# Altium PCB CommonBoard_FK_H743.PcbDoc
Units mm, origin at the board's own origin, x right, y up, seen from the top; angles counter-clockwise.
Board outline 58.23 x 81.66 mm, 4 copper layers (Top Layer, Layer 1, Layer 2, Bottom Layer), stack 0.603 mm thick; 38 components, 57 nets, 329 pads, 47 vias.
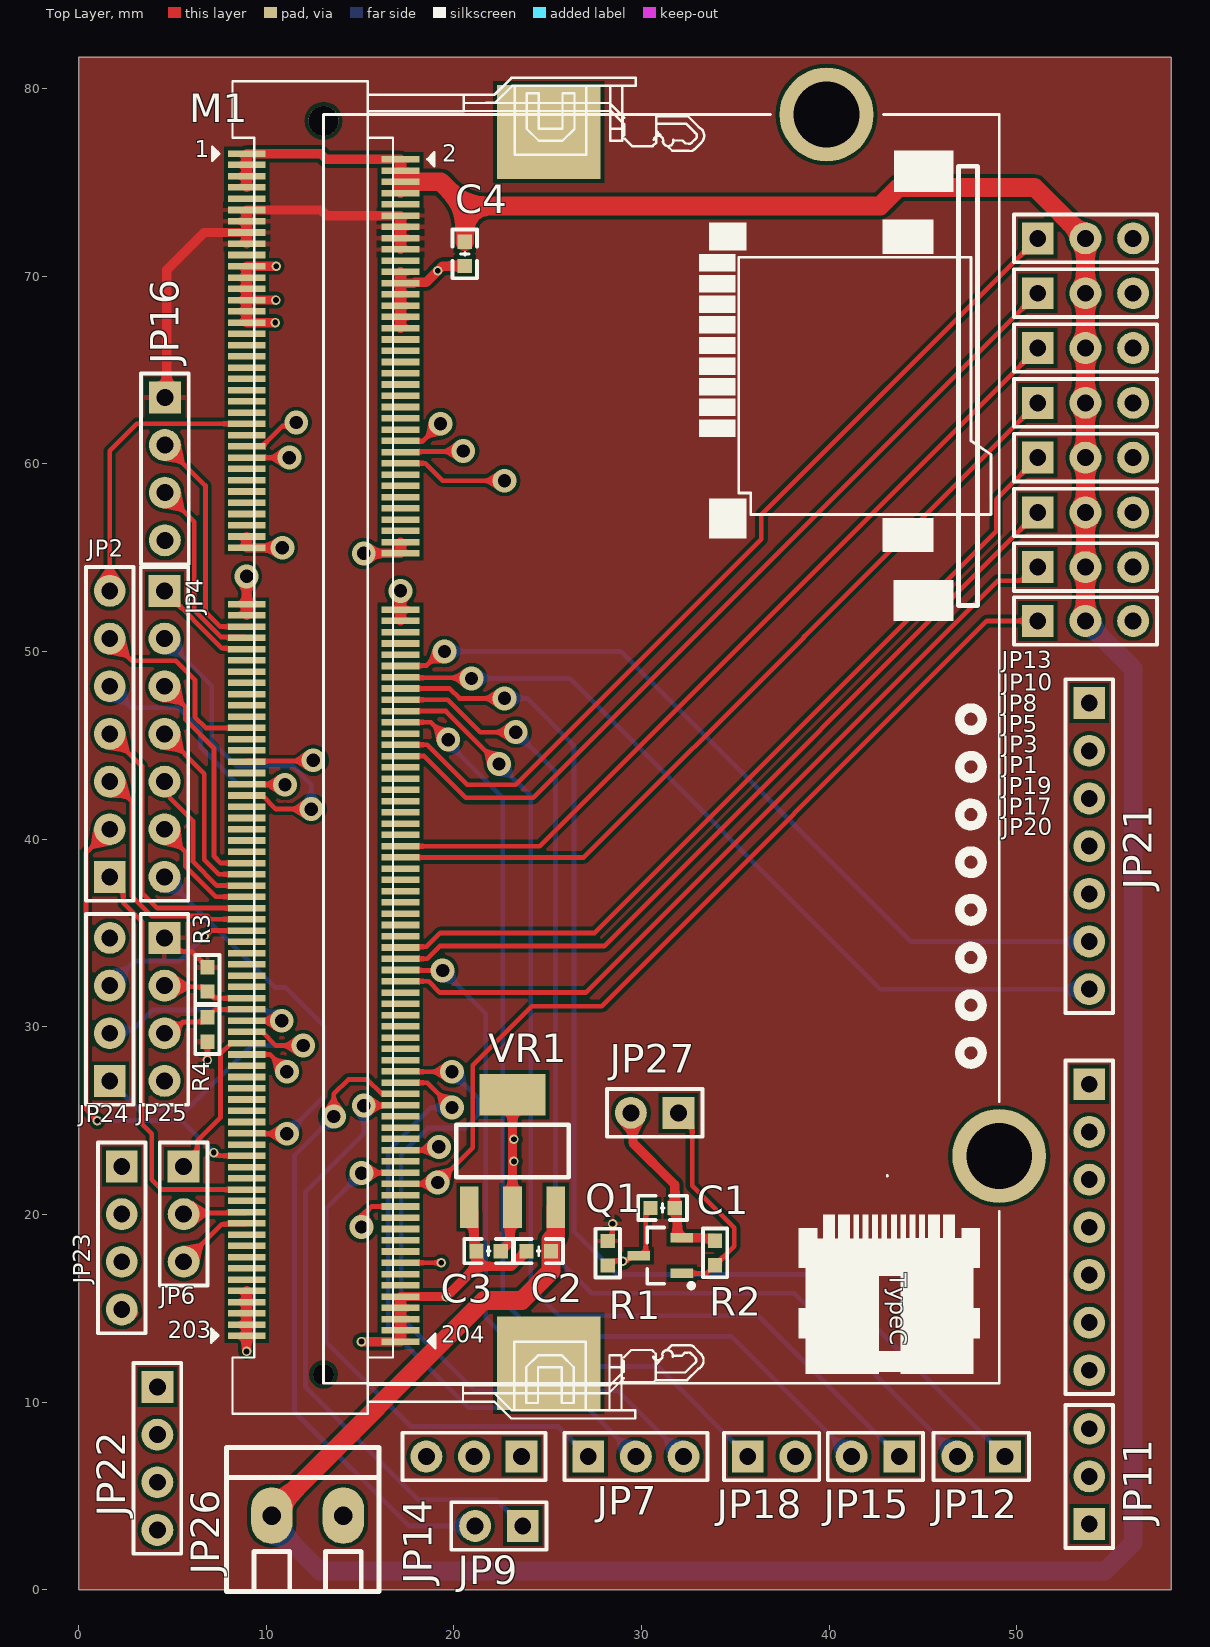
[diagram p0: Top Layer view]
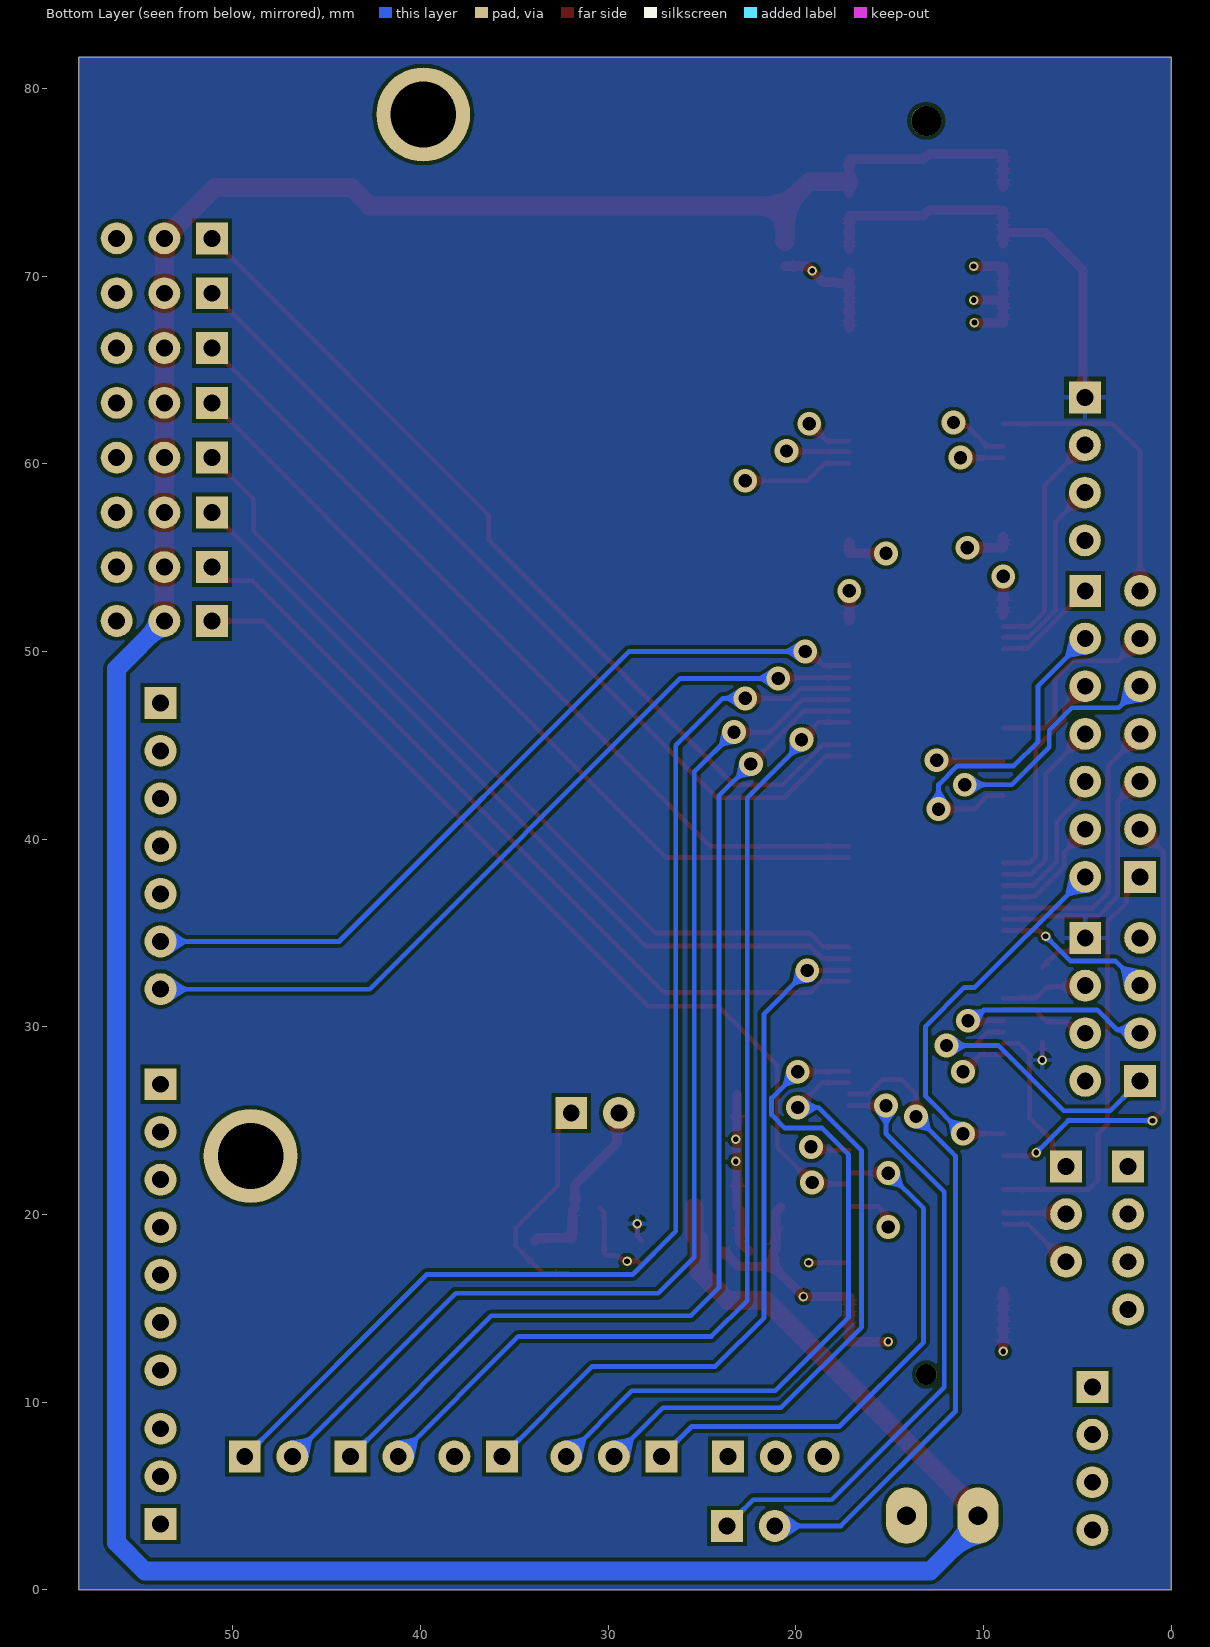
[diagram p1: Bottom Layer view, seen from below]
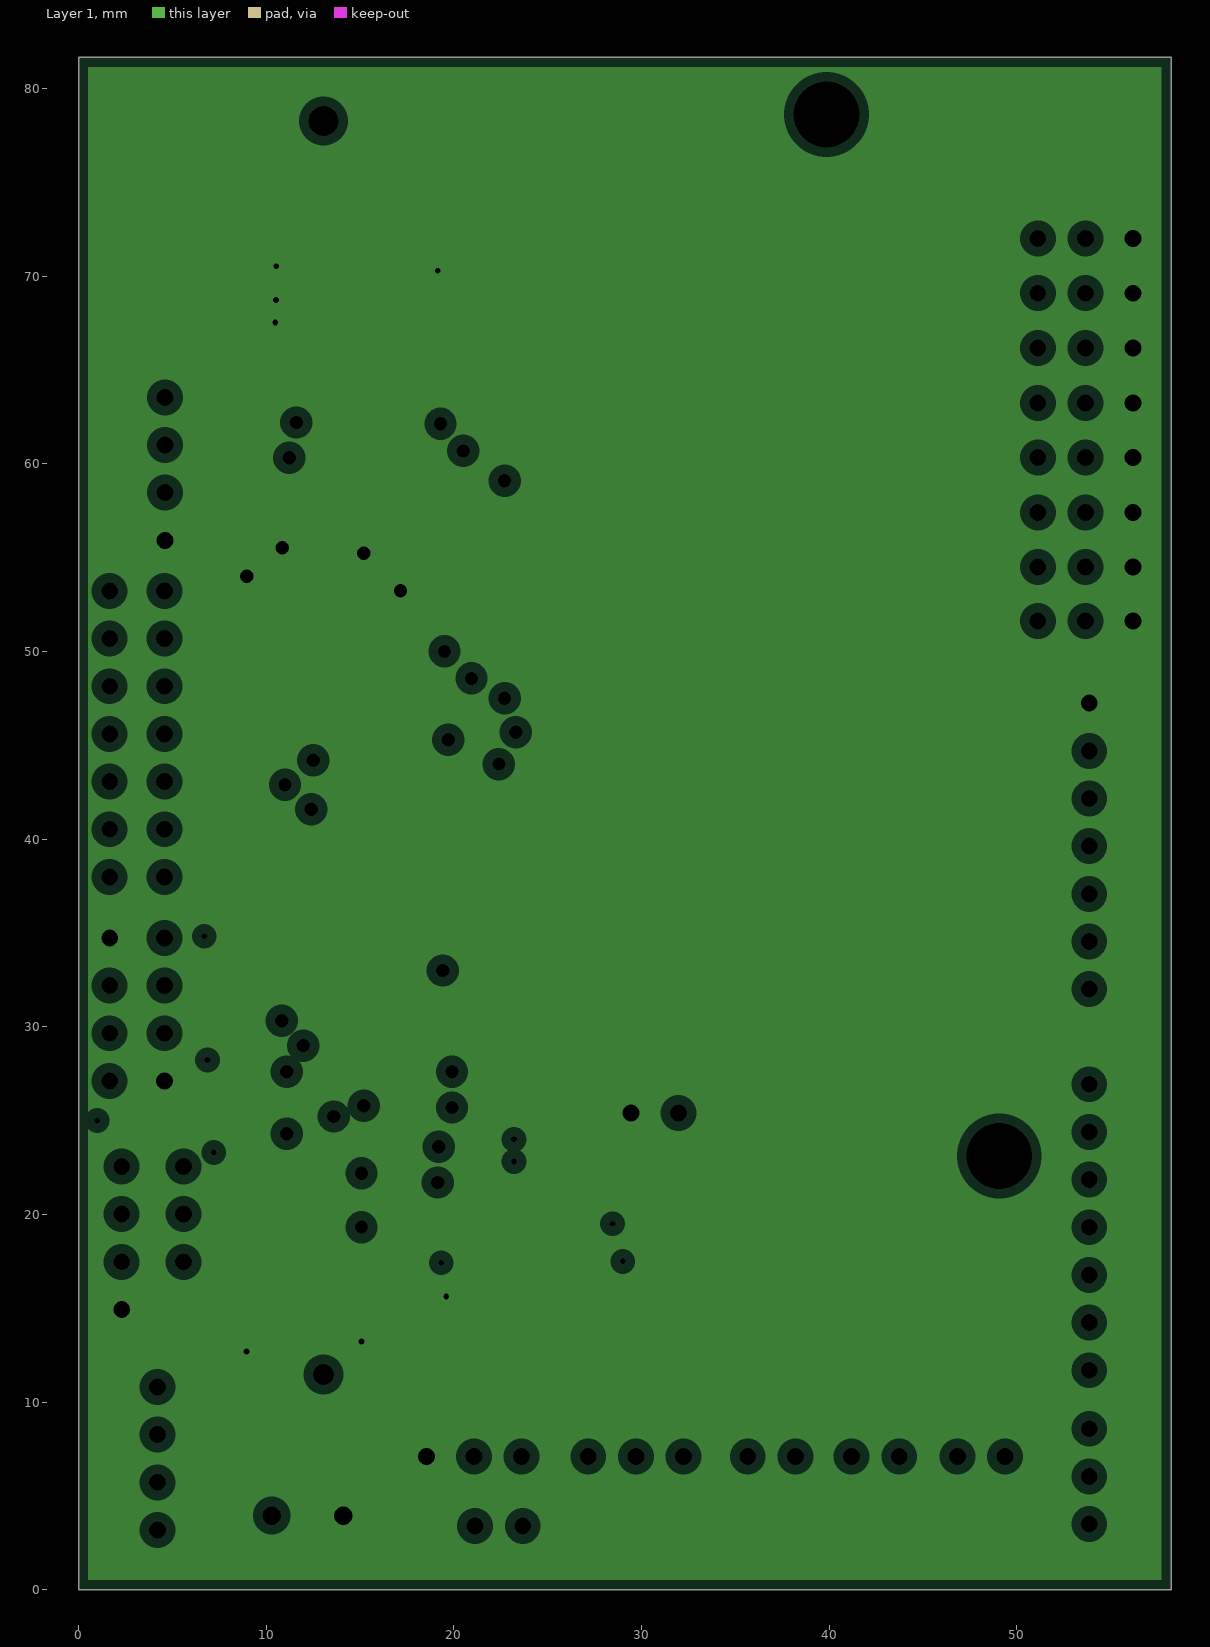
[diagram p2: Layer 1, clearances drawn from the general rule]
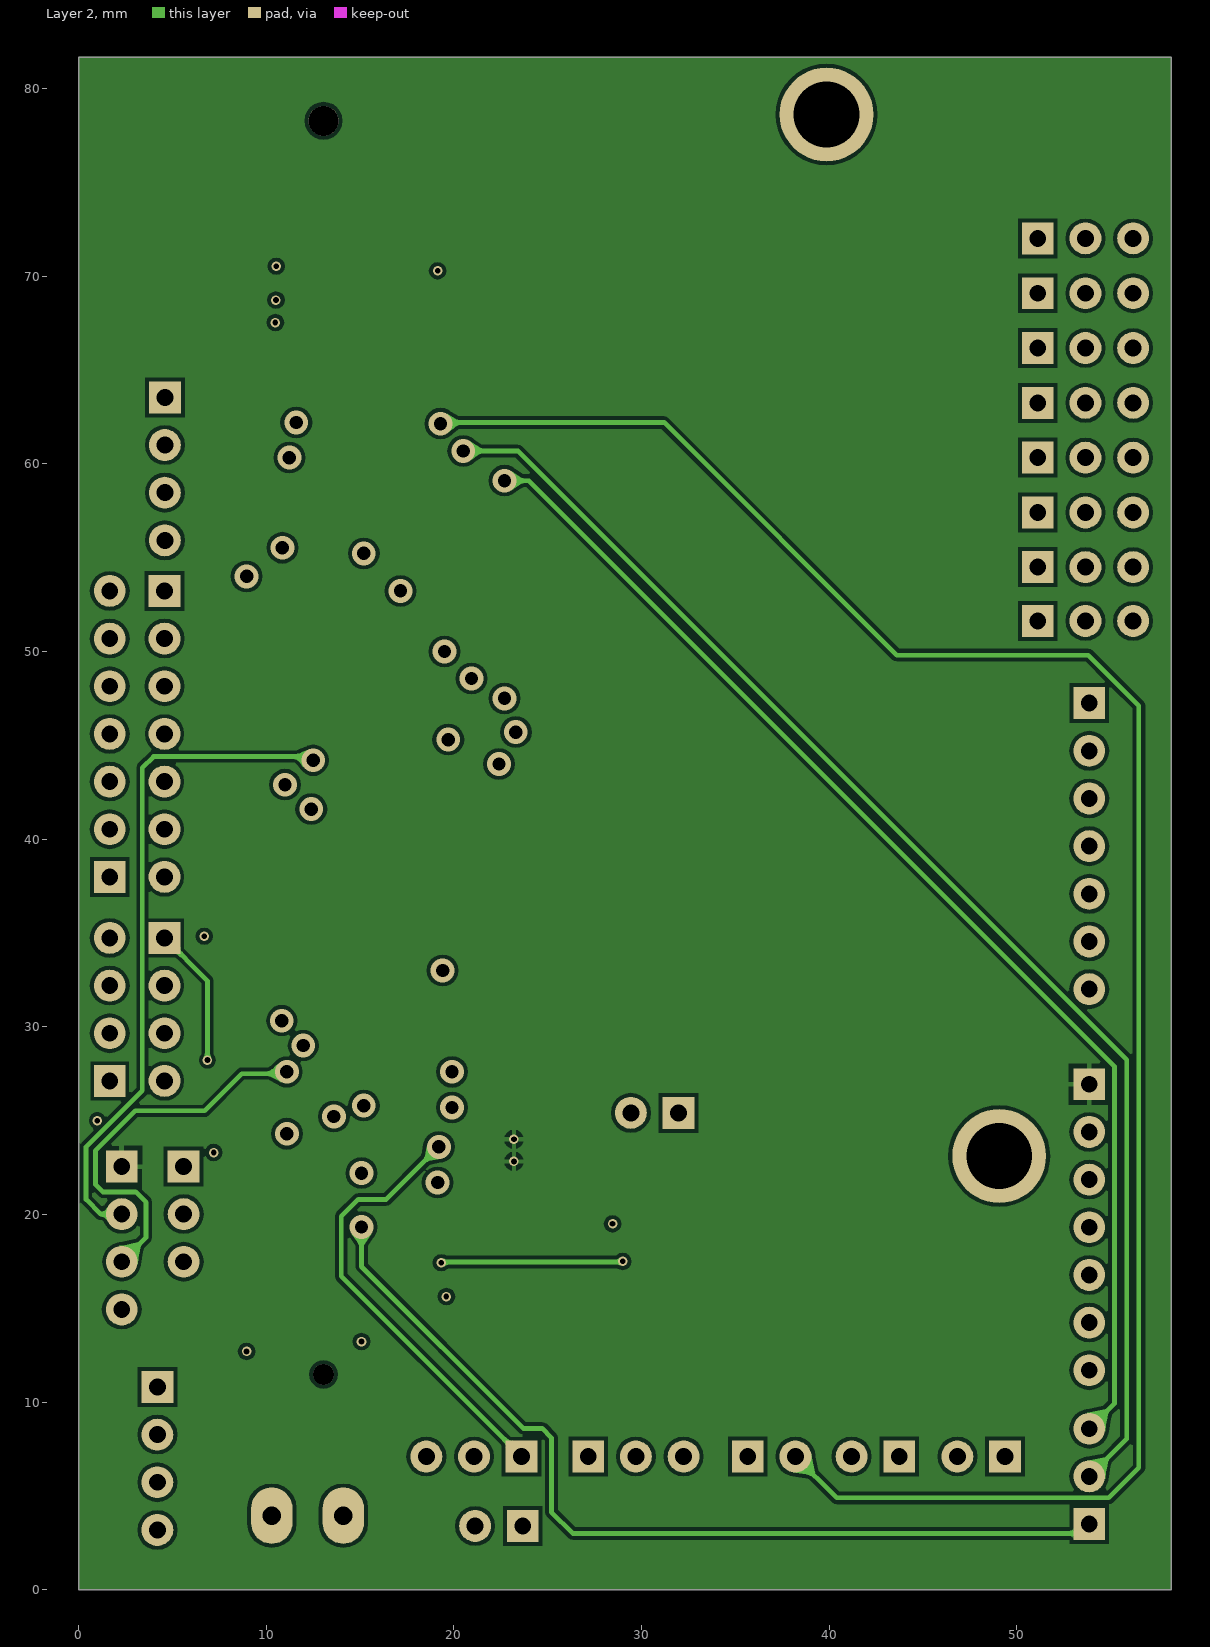
[diagram p3: Layer 2]

## Layer stack, top to bottom
Top Solder: solder mask 0.0102, Solder Resist, Dk 3.5
Top Layer: signal copper 0.0356
Dielectric 2: prepreg 0.0711, PP-006, Dk 4.1
Layer 1: plane copper 0.035, net GND
Dielectric 3: prepreg 0.0711, PP-006, Dk 4.1
Layer 2: signal copper 0.035
Dielectric 1: dielectric 0.32, FR-4, Dk 4.8
Bottom Layer: signal copper 0.0356
Bottom Solder: solder mask 0.0102, Solder Resist, Dk 3.5

## Board outline
0,0 58.226,0 58.226,81.661 0,81.661

## Design rules (kind name [scope] priority, off if disabled: settings)
Clearance [All] p1: gap=0.2 ignorepadtopadclearanceinfootprint=FALSE except(0: Arc-Arc Arc-Track Arc-SMDPad Arc-THPad Arc-Via Arc-Text Arc-Hole Track-Track Track-SMDPad Track-THPad Track-Via Track-Text Track-Hole SMDPad-SMDPad SMDPad-THPad SMDPad-Via SMDPad-Text SMDPad-Hole THPad-THPad THPad-Via THPad-Text THPad-Hole Via-Via Via-Text Via-Hole Text-Text Text-Hole)
MinimumSolderMaskSliver [All] p1: minsoldermaskwidth=0
PlaneClearance [All] p1: clearance=0.508
PlaneConnect [All] p1: planeconnectstyle=Relief reliefexpansion=0.508 reliefentries=4 reliefconductorwidth=0.254 reliefairgap=0.254
PolygonConnect [All] p1: connectstyle=Relief reliefconductorwidth=0.254 reliefentries=4 polygonreliefangle="90 Angle" airgapwidth=0.254
RoutingVias [All] p1: holewidth=0.711 width=1.27 viastyle="Through Hole" minholewidth=0.711 minwidth=1.27 maxholewidth=0.711 maxwidth=1.27
SilkToSilkClearance [All] p1: silktosilkclearance=0
SilkToSolderMaskClearance [IsPad] p1: minsilkscreentomaskgap=0 clearancetoexposedcopper=TRUE
SolderMaskExpansion [All] p1: expansion=0.102
Width [All] p1: maxlimit=1 minlimit=0.254 preferedwidth=0.254
25 further rules are at their usual default settings.

## Classes and differential pairs
component class CommonBoard_FK_H743: C1 M1 Q1 R1 R2
component class CommonBoard_FK_H743_out: C2 C3 C4 JP1 JP2 JP3 JP4 JP5 JP6 JP7 JP8 JP9 JP10 JP11 JP12 JP13 JP14 JP15 JP16 JP17 JP18 JP19 JP20 JP21 JP22 JP23 JP24 JP25 JP26 JP27 R3 R4 VR1

## Components (designator, comment, footprint, x,y, rotation, side; value= is the part's Value field where it differs from the comment)
C1 "104" "C 0603_L" 31.122,20.348 r180 top
C2 "104" "C 0603_L" 24.521,18.047 r0 top
C3 "104" "C 0603_L" 21.854,18.047 r0 top
C4 "104" "C 0603_L" 20.583,71.186 r90 top
JP1 "HDR-1X3" HDR2.54-LI-3P 53.654,57.406 r0 top
JP2 "HDR-1X7" HDR2.54-LI-7P 1.661,45.606 r90 top
JP3 "HDR-1X3" HDR2.54-LI-3P 53.654,60.327 r0 top
JP4 "HDR-1X7" HDR2.54-LI-7P 4.582,45.606 r270 top
JP5 "HDR-1X3" HDR2.54-LI-3P 53.654,63.248 r0 top
JP6 "HDR-1X3" HDR2.54-LI-3P 5.6,20.018 r270 top
JP7 "HDR-1X3" HDR2.54-LI-3P 29.7,7.1 r0 top
JP8 "HDR-1X3" HDR2.54-LI-3P 53.654,66.169 r0 top
JP9 "HDR-1X2" HDR2.54-LI-2P 22.4,3.4 r180 top
JP10 "HDR-1X3" HDR2.54-LI-3P 53.654,69.09 r0 top
JP11 "HDR-1X3" HDR2.54-LI-3P 53.858,6.04 r90 top
JP12 "HDR-1X2" HDR2.54-LI-2P 48.1,7.1 r180 top
JP13 "HDR-1X3" HDR2.54-LI-3P 53.654,72.011 r0 top
JP14 "HDR-1X3" HDR2.54-LI-3P 21.072,7.1 r180 top
JP15 "HDR-1X2" HDR2.54-LI-2P 42.461,7.1 r180 top
JP16 "HDR-1X4" HDR2.54-LI-4P 4.6,59.73 r270 top
JP17 "HDR-1X3" HDR2.54-LI-3P 53.654,51.625 r0 top
JP18 "HDR-1X2" HDR2.54-LI-2P 36.93,7.1 r0 top
JP19 "HDR-1X3" HDR2.54-LI-3P 53.654,54.496 r0 top
JP20 "HDR-1X7" HDR2.54-LI-7P 53.858,39.625 r270 top
JP21 "HDR-1X7" HDR2.54-LI-7P 53.858,19.317 r270 top
JP22 "HDR-1X4" HDR2.54-LI-4P 4.201,6.998 r270 top
JP23 "HDR-1X4" HDR2.54-LI-4P 2.3,18.748 r270 top
JP24 "HDR-1X4" HDR2.54-LI-4P 1.661,30.925 r90 top
JP25 "HDR-1X4" HDR2.54-LI-4P 4.582,30.925 r270 top
JP26 "HDR-1X2" KF128-3.81-2P 10.297,3.95 r0 top
JP27 "HDR-1X2" HDR2.54-LI-2P 30.703,25.413 r180 top
M1 "FK743M1IIT6" FK743M1-IIT6 29.006,45.043 r0 top
Q1 "SS8050" SOT23-3N 31,17.808 r90 top
R1 "10K" "R 0603_L" 28.201,17.935 r90 top
R2 "10K" "R 0603_L" 33.917,17.95 r270 top
R3 "1K" "R 0603_L" 6.868,32.525 r270 top
R4 "1K" "R 0603_L" 6.868,29.858 r90 top
VR1 "AMS1117-3.3" SOT-223 23.124,23.381 r270 top

## Footprints (in the part's own frame and the unit in brackets; to place one, negate y for a bottom-side part, rotate by r counter-clockwise, add the part's x,y. Pads: shape width x height; smd on the part's side, far side on the other; paste and mask are expansions set on the pad)
"C 0603_L" [mil] "无极性贴片电容"
  rect 30x30 smd: 1(-25.59,0) 2(25.59,0)
  silkscreen extent -51,-26 51,26, body extent -31,-16 31,16, height 32
FK743M1-IIT6 [mm]
  round 1.1 hole 1.1 unplated: 0(-15.951,-33.569)
  round 1.6 hole 1.6 unplated: 0(-15.951,33.231)
  rect 5.5x5 smd: 0(-3.951,-32.969) 0(-3.951,32.631)
  round 5 hole 3.5: 0(10.852,33.569) 0(20.052,-21.931)
  rect 2x0.35 smd: 1(-20.052,31.481) 2(-11.851,31.181) 3(-20.052,30.881) 4(-11.851,30.581) 5(-20.052,30.281) 6(-11.851,29.981) 7(-20.052,29.681) 8(-11.851,29.381) 9(-20.052,29.081) 10(-11.851,28.781) 11(-20.052,28.481) 12(-11.851,28.181) 13(-20.052,27.881) 14(-11.851,27.581) 15(-20.052,27.281) 16(-11.851,26.981) 17(-20.052,26.681) 18(-11.851,26.381) 19(-20.052,26.081) 20(-11.851,25.781) 21(-20.052,25.481) 22(-11.851,25.181) 23(-20.052,24.881) 24(-11.851,24.581) 25(-20.052,24.281) 26(-11.851,23.981) 27(-20.052,23.681) 28(-11.851,23.381) 29(-20.052,23.081) 30(-11.851,22.781) 31(-20.052,22.481) 32(-11.851,22.181) 33(-20.052,21.881) 34(-11.851,21.581) 35(-20.052,21.281) 36(-11.851,20.981) 37(-20.052,20.681) 38(-11.851,20.381) 39(-20.052,20.081) 40(-11.851,19.781) 41(-20.052,19.481) 42(-11.851,19.181) 43(-20.052,18.881) 44(-11.851,18.581) 45(-20.052,18.281) 46(-11.851,17.981) 47(-20.052,17.681) 48(-11.851,17.381) 49(-20.052,17.081) 50(-11.851,16.781) 51(-20.052,16.481) 52(-11.851,16.181) 53(-20.052,15.881) 54(-11.851,15.581) 55(-20.052,15.281) 56(-11.851,14.981) 57(-20.052,14.681) 58(-11.851,14.381) 59(-20.052,14.081) 60(-11.851,13.781) 61(-20.052,13.481) 62(-11.851,13.181) 63(-20.052,12.881) 64(-11.851,12.581) 65(-20.052,12.281) 66(-11.851,11.981) 67(-20.052,11.681) 68(-11.851,11.381) 69(-20.052,11.081) 70(-11.851,10.781) 71(-20.052,10.481) 72(-11.851,10.181) 73(-20.052,7.481) 74(-11.851,7.181) 75(-20.052,6.881) 76(-11.851,6.581) 77(-20.052,6.281) 78(-11.851,5.981) 79(-20.052,5.681) 80(-11.851,5.381) 81(-20.052,5.081) 82(-11.851,4.781) 83(-20.052,4.481) 84(-11.851,4.181) 85(-20.052,3.881) 86(-11.851,3.581) 87(-20.052,3.281) 88(-11.851,2.981) 89(-20.052,2.681) 90(-11.851,2.381) 91(-20.052,2.081) 92(-11.851,1.781) 93(-20.052,1.481) 94(-11.851,1.181) 95(-20.052,0.881) 96(-11.851,0.581) 97(-20.052,0.281) 98(-11.851,-0.019) 99(-20.052,-0.319) 100(-11.851,-0.619) 101(-20.052,-0.919) 102(-11.851,-1.219) 103(-20.052,-1.519) 104(-11.851,-1.819) 105(-20.052,-2.119) 106(-11.851,-2.419) 107(-20.052,-2.719) 108(-11.851,-3.019) 109(-20.052,-3.319) 110(-11.851,-3.619) 111(-20.052,-3.919) 112(-11.851,-4.219) 113(-20.052,-4.519) 114(-11.851,-4.819) 115(-20.052,-5.119) 116(-11.851,-5.419) 117(-20.052,-5.719) 118(-11.851,-6.019) 119(-20.052,-6.319) 120(-11.851,-6.619) 121(-20.052,-6.919) 122(-11.851,-7.219) 123(-20.052,-7.519) 124(-11.851,-7.819) 125(-20.052,-8.119) 126(-11.851,-8.419) 127(-20.052,-8.719) 128(-11.851,-9.019) 129(-20.052,-9.319) 130(-11.851,-9.619) 131(-20.052,-9.919) 132(-11.851,-10.219) 133(-20.052,-10.519) 134(-11.851,-10.819) 135(-20.052,-11.119) 136(-11.851,-11.419) 137(-20.052,-11.719) 138(-11.851,-12.019) 139(-20.052,-12.319) 140(-11.851,-12.619) 141(-20.052,-12.919) 142(-11.851,-13.219) 143(-20.052,-13.519) 144(-11.851,-13.819) 145(-20.052,-14.119) 146(-11.851,-14.419) 147(-20.052,-14.719) 148(-11.851,-15.019) 149(-20.052,-15.319) 150(-11.851,-15.619) 151(-20.052,-15.919) 152(-11.851,-16.219) 153(-20.052,-16.519) 154(-11.851,-16.819) 155(-20.052,-17.119) 156(-11.851,-17.419) 157(-20.052,-17.719) 158(-11.851,-18.019) 159(-20.052,-18.319) 160(-11.851,-18.619) 161(-20.052,-18.919) 162(-11.851,-19.219) 163(-20.052,-19.519) 164(-11.851,-19.819) 165(-20.052,-20.119) 166(-11.851,-20.419) 167(-20.052,-20.719) 168(-11.851,-21.019) 169(-20.052,-21.319) 170(-11.851,-21.619) 171(-20.052,-21.919) 172(-11.851,-22.219) 173(-20.052,-22.519) 174(-11.851,-22.819) 175(-20.052,-23.119) 176(-11.851,-23.419) 177(-20.052,-23.719) 178(-11.851,-24.019) 179(-20.052,-24.319) 180(-11.851,-24.619) 181(-20.052,-24.919) 182(-11.851,-25.219) 183(-20.052,-25.519) 184(-11.851,-25.819) 185(-20.052,-26.119) 186(-11.851,-26.419) 187(-20.052,-26.719) 188(-11.851,-27.019) 189(-20.052,-27.319) 190(-11.851,-27.619) 191(-20.052,-27.919) 192(-11.851,-28.219) 193(-20.052,-28.519) 194(-11.851,-28.819) 195(-20.052,-29.119) 196(-11.851,-29.419) 197(-20.052,-29.719) 198(-11.851,-30.019) 199(-20.052,-30.319) 200(-11.851,-30.619) 201(-20.052,-30.919) 202(-11.851,-31.219) 203(-20.052,-31.519) 204(-11.851,-31.819)
  Layer 2 region: 16.689,11.083
  Layer 2 region: 16.782,11.413
  Bottom Layer region: 19.525,1.761
  Bottom Layer region: 18.209,-19.118
  Bottom Layer region: 10.253,16.899
  silkscreen extent -21.93,-35.92 20.05,35.53, body extent -20.97,-35.97 20.04,35.63, height 7.16
HDR2.54-LI-2P [mm] "排针，2脚"
  rect 1.7x1.7 hole 0.9: 1(-1.27,0)
  round 1.7 hole 0.9: 2(1.27,0)
  silkscreen extent -2.54,-1.27 2.54,1.27, body extent -2.54,-1.27 2.54,1.27, height 8.5
HDR2.54-LI-3P [mm] "排针，3脚"
  rect 1.7x1.7 hole 0.9: 1(-2.54,0)
  round 1.7 hole 0.9: 2(0,0) 3(2.54,0)
  silkscreen extent -3.81,-1.27 3.81,1.27, body extent -3.81,-1.27 3.81,1.27, height 8.5
HDR2.54-LI-4P [mm] "排针，4脚"
  rect 1.7x1.7 hole 0.9: 1(-3.81,0)
  round 1.7 hole 0.9: 2(-1.27,0) 3(1.27,0) 4(3.81,0)
  silkscreen extent -5.08,-1.27 5.08,1.27, body extent -5.08,-1.27 5.08,1.27, height 8.5
HDR2.54-LI-7P [mm] "排针，8脚"
  rect 1.7x1.7 hole 0.9: 1(-7.62,0)
  round 1.7 hole 0.9: 2(-5.08,0) 3(-2.54,0) 4(0,0) 5(2.54,0) 6(5.08,0) 7(7.62,0)
  silkscreen extent -8.89,-1.27 8.89,1.27, body extent -8.89,-1.27 8.89,1.27, height 8.5
KF128-3.81-2P [mm] "螺钉式接线端子，脚距3.81mm"
  oval 2.2x3 hole 1: 1(0,0) 2(3.81,0)
  silkscreen extent -2.41,-4.04 5.71,3.63, body extent -2.41,-3.83 5.71,3.57, height 8.55
"R 0603_L" [mil] "1/10W贴片电阻"
  rect 30x30 smd: 1(-25.59,0) 2(25.59,0)
  silkscreen extent -51,-26 51,26, body extent -31,-16 32,16, height 16
SOT23-3N [mm] "3x1.3x1mm(长宽高)"
  rect 0.5x1.2 smd: 1(-0.95,-1.143) 2(0.95,-1.143) 3(0,1.143)
  silkscreen extent -1.72,-1.78 1.5,0.7, body extent -1.5,-1.2 1.5,1.2, height 1.05
SOT-223 [mm]
  rect 2.2x1 smd: 1(3,-2.3) 2(3,0) 3(3,2.3)
  rect 2.2x3.5 smd: 2(-3,0)
  silkscreen extent -1.4,-3 1.4,3, body extent -3.49,-3.24 3.49,3.24, height 1.64

## Part data
C1 C2 C3 C4: library part C, "无极性贴片电容"
JP1 JP3 JP5 JP6 JP7 JP8 JP10 JP11 JP13 JP14 JP17 JP19: library part "Header 3", "3P接插件", BOM名称=3P接, 学习资源=www.ooocke.
JP2 JP4 JP20 JP21: library part "Header 7", "7P接插件", BOM名称=7P接, 学习资源=www.ooocke.
JP9 JP12 JP15 JP18 JP26 JP27: library part "Header 2", "2P接插件"
  JP9 JP12 JP15 JP18 JP27: BOM名称=2P接, 学习资源=www.ooocke.
JP16 JP22 JP23 JP24 JP25: library part "Header 4", "4P接插件", BOM名称=4P接, 学习资源=www.ooocke.
M1: library part FK743M1-IIT6
Q1: library part 8050-SMD, "高频放大-NPN型", BOM名称=高频放大, 学习资源=www.ooocke., 属性="40V 1.5A 1W 100MH"
R1 R2 R3 R4: library part R, "贴片电阻"
VR1: library part "SOT-223 AMS1117-3.3", "低压差线性稳压(LDO)", Package=SOT-223, SuppliersPartNumber=C6186, ComponentLink1Description=供应商, ComponentLink1URL=http://www.szlcsc.com/product/details_6652.html, Supplier=LC

## Via types
v1: diameter 1.27, hole 0.711, Top Layer to Bottom Layer, tented both sides, 31 vias
v2: diameter 0.508, hole 0.305, Top Layer to Bottom Layer, tented both sides, 16 vias

## Nets (pads, with @x,y where several pads share a name; then routed paths per layer and width w, separated by ;. In a path a pad name is that pad's centre, name@x,y a point inside that pad or via, vN(x,y) a via of type N, cw(c..) or ccw(c..) an arc to the next point about the centre after c; other vN are vias at no path point)
3V3: C3.2 JP21.1 JP23.1 VR1.2 | length 8.6
  Top Layer w0.5: C3.2 22.988,18.531 22.988,20.245 23.124,20.381 VR1.2@23.124,26.381
  other v2: 23.2,22.825 23.2,24
3V3_STM32: JP16.1 JP25.1 M1.11 M1.12 M1.13 M1.14 M1.15 M1.16 M1.17 M1.18 R1.2 R3.1 R4.1 | length 36.2
  Top Layer w0.254: JP25.1 5.305,34.012 6.03,34.012 R3.1 ; v2(6.868,28.225) R4.1 ; R1.2 28.456,18.839 v2(28.456,19.5)
  Top Layer w0.5: JP16.1 4.7,63.64 4.7,70.325 6.7,72.325 M1.15 ; M1.17 M1.15 ; M1.18 M1.16 M1.14 M1.12 13.22,73.225 12.921,73.525 M1.11 M1.13 M1.15
  Layer 2 w0.254: JP25.1 6.868,32.449 v2(6.868,28.225)
+5: C2.2 C4.2 JP1.2 JP3.2 JP5.2 JP8.2 JP10.2 JP13.2 JP17.2 JP19.2 JP26.1 M1.1 M1.2 M1.3 M1.4 M1.5 M1.6 M1.7 M1.8 VR1.3 | length 195.2
  Top Layer w0.5: M1.7 M1.5 M1.3 M1.1 12.904,76.525 13.204,76.225 M1.2 M1.4 M1.6 M1.8 ; C2.2 C2.2@25.297,18.173 ; VR1.3@25.297,20.254 VR1.3
  Top Layer w1: JP26.1 10.297,4.111 21.6,15.415 23.615,15.415 25.17,16.97 C2.2 25.17,18.651 25.424,18.904 VR1.3 ; M1.6 19.3,75.025 20.584,73.741 ; C4.2 20.584,73.741 ; JP17.2 JP19.2 JP1.2 JP3.2 JP5.2 JP8.2 JP10.2 JP13.2 50.94,74.725 43.7,74.725 42.716,73.741 20.584,73.741
  Bottom Layer w1: JP26.1 10.297,3.55 12.846,1 54.7,1 56.2,2.5 56.2,49.079 JP17.2
GND: C1.1 C2.1 C3.1 C4.1 JP1.3 JP3.3 JP5.3 JP8.3 JP10.3 JP13.3 JP14.3 JP16.4 JP17.3 JP19.3 JP20.1 JP23.4 JP24.4 JP25.4 JP26.2 JP27.2 M1.21 M1.22 M1.23 M1.24 M1.25 M1.26 M1.27 M1.28 M1.29 M1.30 M1.31 M1.32 M1.69 M1.70 M1.71 M1.72 M1.73 M1.74 M1.75 M1.76 M1.195 M1.196 M1.197 M1.198 M1.199 M1.200 M1.201 M1.202 M1.203 M1.204 Q1.2 R2.1 VR1.1 | length 51.8
  Top Layer w0.5: JP23.4@2.9,14.79 JP23.4@2.945,14.745 ; M1.197@8.909,15.37 M1.197 ; v2(8.954,12.7) M1.203 M1.201 M1.199 M1.197 ; M1.195 M1.197 ; M1.75 8.956,51.927 v1(8.956,54) ; M1.69 M1.71 v1(10.862,55.525) ; v2(10.487,67.525) M1.31 M1.29 M1.27 ; v2(10.52,68.725) M1.27 ; v2(10.536,70.525) M1.21 M1.23 M1.25 M1.27 ; v2(15.077,13.225) M1.204 M1.202 M1.200 M1.198 M1.196 v2(19.6,15.625) 21.203,17.228 ; v1(15.2,55.225) M1.72 M1.70 ; M1.76 M1.74 v1(17.155,53.226) ; M1.32 M1.30 M1.28 M1.26 M1.24 ; M1.22 M1.24 ; v2@19.134,70.28 19.132,70.28 18.519,69.668 17.905,69.668 17.862,69.625 M1.24 ; v2(19.136,70.282) 19.138,70.282 19.392,70.536 C4.1 ; VR1.1 21.072,20.132 21.072,18.178 C3.1 21.203,17.228 ; C2.1 23.052,17.228 21.203,17.228 ; JP27.2 29.544,25.302 29.544,23.813 31.773,21.584 C1.1 31.904,20.217 31.904,18.758 Q1.2 33.2,18.758 33.227,18.731 33.785,18.731 R2.1
NetC1_2: C1.2 M1.190 Q1.3 R1.1 | length 16.8
  Top Layer w0.254: M1.190 v2(19.325,17.425) ; R1.1 28.456,17.539 29.237,17.539 29.507,17.808 Q1.3 30.096,17.808 30.219,17.931 30.219,20.094 C1.2
  Layer 2 w0.254: v2(19.325,17.425) 19.362,17.462 28.962,17.462 v2(29,17.5)
  Bottom Layer w0.254: v2@28.925,17.425 v2(29,17.5)
PA0_TIM2_CH1: JP17.1 M1.176 | length 49
  Top Layer w0.254: M1.176 19.061,21.625 v1(19.136,21.7) 21,23.564 21,27.951 24.149,31.1 27.875,31.1 48.4,51.625 JP17.1
PA1_TIM5_CH2: JP7.1 M1.174 | length 28.4
  Top Layer w0.254: v1(15.077,22.2) 15.089,22.212 17.142,22.212 M1.174
  Bottom Layer w0.254: v1(15.077,22.2) 13.2,20.323 13.2,13.2 17.7,8.7 25.56,8.7 JP7.1
PA3_UART2_RX: JP23.3 M1.153 | length 23.1
  Top Layer w0.254: M1.153 10.175,28.525 v1(11.1,27.6)
  Layer 2 w0.254: JP23.3 3.6,18.778 3.6,20.651 3.051,21.2 1.3,21.2 0.9,21.6 0.9,23.4 3.025,25.525 6.725,25.525 8.7,27.5 11,27.5 v1(11.1,27.6)
PA4_DAC1_OUT1: JP6.1 M1.151 | length 8.4
  Top Layer w0.254: JP6.1 6.323,23.281 6.323,23.923 7.558,25.158 7.558,28.553 8.129,29.125 M1.151
PA5_SPI1_SCLK: JP24.1 M1.149 | length 15.7
  Top Layer w0.254: M1.149 9.779,29.725 10.504,29 v1(11.974,29)
  Bottom Layer w0.254: JP24.1 3.251,25.525 5.725,25.525 9.2,29 v1(11.974,29)
PA6_SPI1_MISO: JP24.2 M1.147 | length 11.8
  Top Layer w0.254: M1.147 v1(10.83,30.325)
  Bottom Layer w0.254: JP24.2 1.849,29.843 2.892,29.843 3.949,30.9 9.98,30.9 10.555,30.325 v1(10.83,30.325)
PA7_SPI1_MOSI: JP24.3 M1.131 | length 8.5
  Top Layer w0.254: v2(6.7,34.825) 6.761,34.825 7.061,35.125 M1.131
  Bottom Layer w0.254: JP24.3 2.966,33.5 5.368,33.5 6.692,34.825 v2(6.7,34.825)
PA9_UART1_TX: JP12.2 M1.90 | length 61.5
  Top Layer w0.254: M1.90 19.675,47.425 21.4,45.7 v1(23.3,45.7)
  Bottom Layer w0.254: v1(23.3,45.7) 25.422,43.578 25.422,17.727 27.349,15.8 38.13,15.8 JP12.2
PA10_UART1_RX: JP12.1 M1.88 | length 64.3
  Top Layer w0.254: M1.88 19.775,48.025 20.3,47.5 v1(22.7,47.5)
  Bottom Layer w0.254: v1(22.7,47.5) 23.9,47.5 26.4,45 26.4,19.1 28.7,16.8 39.67,16.8 JP12.1
PA11_UART4_RX: JP20.7 M1.86 | length 43.6
  Top Layer w0.254: M1.86 17.186,48.594 20.906,48.594 v1(20.938,48.562)
  Bottom Layer w0.254: v1(20.938,48.562) 26.162,48.562 42.72,32.005 JP20.7
PA12_UART4_TX: JP20.6 M1.84 | length 43.4
  Top Layer w0.254: M1.84 17.178,49.248 18.536,49.248 19.288,50 v1(19.5,50)
  Bottom Layer w0.254: v1(19.5,50) 28.893,50 44.348,34.545 JP20.6
PA13_SWDIO: JP16.2 M1.77 | length 12.3
  Top Layer w0.254: JP16.2 6.761,58.839 6.761,52.114 7.551,51.325 M1.77
PA14_SWCLK: JP16.3 M1.79 | length 10.3
  Top Layer w0.254: JP16.3 6.161,56.899 6.161,52.2 7.588,50.773 8.857,50.773 8.93,50.7 M1.79
PA15: JP2.6 M1.95 | length 10.4
  Top Layer w0.254: JP2.6 2.846,49.5 5.191,49.5 6.2,48.491 6.2,46.5 6.775,45.925 M1.95
PB0_TIM3_CH3: JP5.1 M1.118 | length 44
  Top Layer w0.254: M1.118 26.925,39.025 38.658,50.758 38.658,50.792 JP5.1
PB1_TIM3_CH4: JP8.1 M1.116 | length 45
  Top Layer w0.254: M1.116 24.57,39.625 JP8.1
PB3_TIM2_CH2: JP3.1 M1.134 | length 45.8
  Top Layer w0.254: M1.134 17.19,34.26 18.536,34.26 19.275,35 27.5,35 48.9,56.4 48.9,58.112 JP3.1
PB4_TIM3_CH1: JP1.1 M1.136 | length 43.8
  Top Layer w0.254: M1.136 18.575,33.625 19.25,34.3 28.009,34.3 JP1.1
PB5_UART5_RX: JP18.1 M1.138 | length 39.1
  Top Layer w0.254: M1.138 17.179,33 v1(19.4,33)
  Bottom Layer w0.254: v1@19.3,33.1 v1@19.7,33.1 ; v1(19.4,33) 21.7,30.7 21.7,14.5 24.3,11.9 30.86,11.9 JP18.1
PB7_TIM4_CH2: JP19.1 M1.140 | length 43.6
  Top Layer w0.254: M1.140 18.65,32.425 19.25,31.825 27.025,31.825 48.973,53.773 50.391,53.773 JP19.1
PB8_IIC1_SCL: JP25.2 M1.143 R3.2 | length 4.7
  Top Layer w0.254: JP25.2 4.647,32.129 6.613,32.129 R3.2 7.218,31.525 M1.143
PB9_IIC1_SDA: JP25.3 M1.145 R4.2 | length 4.9
  Top Layer w0.254: JP25.3 4.973,29.655 5.572,30.254 6.614,30.254 R4.2 7.285,30.925 M1.145
PB10_TIM2_CH3: JP10.1 M1.100 | length 46
  Top Layer w0.254: M1.100 18.411,44.425 20.636,42.2 24.225,42.2 JP10.1
PB11_TIM2_CH4: JP13.1 M1.98 | length 47.7
  Top Layer w0.254: M1.98 18.575,45.025 20.7,42.9 23.3,42.9 36.384,55.984 36.384,57.281 JP13.1
PB12: JP2.7 M1.49 | length 15.4
  Top Layer w0.254: JP2.7 1.661,60.685 3.112,62.137 8.942,62.137 M1.49
PB13_UART5_TX: JP18.2 M1.52 | length 106.5
  Top Layer w0.254: M1.52 17.179,61.2 18.351,61.2 v1(19.288,62.137)
  Layer 2 w0.254: v1(19.288,62.137) 19.353,62.202 31.199,62.202 43.601,49.8 53.8,49.8 56.5,47.1 56.5,6.5 54.9,4.9 40.4,4.9 JP18.2
PB14_TIM12_CH1: JP11.2 M1.54 | length 75.2
  Top Layer w0.254: M1.54 17.185,60.655 20.47,60.655 v1(20.5,60.685)
  Layer 2 w0.254: v1(20.5,60.685) 23.415,60.685 55.854,28.246 55.854,8.036 JP11.2
PB15_TIM12_CH2: JP11.3 M1.56 | length 71.2
  Top Layer w0.254: M1.56 18.475,60.025 19.4,59.1 v1(22.7,59.1)
  Layer 2 w0.254: v1(22.7,59.1) 24,59.1 55.2,27.9 55.2,9.922 JP11.3
PC0: JP2.1 M1.177 | length 22.3
  Top Layer w0.254: JP2.1 2.384,37.263 2.384,36.616 3.4,35.6 3.4,24.797 3.9,24.297 3.9,21.847 4.423,21.325 M1.177
PC1: JP11.1 M1.180 | length 52.2
  Top Layer w0.254: v1(15.077,19.327) 15.077,19.886 15.616,20.425 M1.180
  Layer 2 w0.254: v1(15.077,19.327) 15.077,17.223 23.7,8.6 24.7,8.6 25.2,8.1 25.2,4.136 26.336,3 53.358,3 JP11.1
PC2_ADC3_INP0: JP6.2 M1.181 | length 3.4
  Top Layer w0.254: JP6.2 5.659,20.077 8.906,20.077 M1.181
PC3_ADC3_INP1: JP6.3 M1.183 | length 4.2
  Top Layer w0.254: JP6.3 5.636,17.478 7.635,19.477 8.906,19.477 M1.183
PC4: JP2.3 M1.129 | length 13.3
  Top Layer w0.254: JP2.3 1.805,43.066 2.846,42.025 2.846,36.954 3.9,35.9 6.867,35.9 7.043,35.725 M1.129
PC5: JP2.4 M1.127 | length 15.1
  Top Layer w0.254: JP2.4 3.375,43.891 3.375,37.149 4.2,36.325 M1.127
PC6_UART6_TX: JP15.2 M1.94 | length 56.1
  Top Layer w0.254: M1.94 18.775,46.225 v1(19.7,45.3)
  Bottom Layer w0.254: v1(19.7,45.3) 19.7,45.1 22.6,42.2 22.6,15.4 24.5,13.5 34.791,13.5 JP15.2
PC7_UART6_RX: JP15.1 M1.92 | length 58.4
  Top Layer w0.254: M1.92 19.575,46.825 v1(22.4,44)
  Bottom Layer w0.254: v1(22.4,44) 24.1,42.3 24.1,16.1 25.6,14.6 36.231,14.6 JP15.1
PC13: JP2.2 M1.171 | length 25
  Top Layer w0.254: v2(1,25) 0.4,25.6 0.4,39.265 JP2.2 ; v2(7.2,23.3) 7.375,23.125 M1.171
  Bottom Layer w0.254: v2(1,25) 5.5,25 v2(7.2,23.3)
PD3: JP2.5 M1.105 | length 14.1
  Top Layer w0.254: M1.105 8.967,42.912 10.988,42.912 v1(11,42.9)
  Bottom Layer w0.254: JP2.5 2.806,47 5.3,47 6.5,45.8 6.5,44.9 8.5,42.9 v1(11,42.9)
PD4: JP4.2 M1.107 | length 17.8
  Top Layer w0.254: M1.107 9.779,42.325 10.504,41.6 v1(12.4,41.6)
  Bottom Layer w0.254: JP4.2 7.1,48.167 7.1,45.2 8.4,43.9 11.405,43.9 12.4,42.905 v1(12.4,41.6)
PD5_UART2_TX: JP23.2 M1.101 | length 39.5
  Top Layer w0.254: M1.101 8.992,44.162 12.468,44.162 v1(12.505,44.2)
  Layer 2 w0.254: JP23.2 1.182,20.018 0.4,20.8 0.4,23.6 3.4,26.6 3.4,43.8 4,44.4 12.305,44.4 v1(12.505,44.2)
PD7: JP4.3 M1.119 | length 12.2
  Top Layer w0.254: JP4.3 4.582,47.818 4.909,47.818 5.7,47.027 5.7,46.361 7.218,44.843 7.218,39.082 7.573,38.727 7.573,38.725 M1.119
PE3: JP4.7 M1.167 | length 20.7
  Top Layer w0.254: M1.167 8.979,24.3 v1(11.1,24.3)
  Bottom Layer w0.254: JP4.7 4.914,37.986 4.914,37.653 10.467,32.1 11.025,32.1 13.095,30.03 13.095,26.295 v1(11.1,24.3)
PE4_TIM15_CH1N: JP14.1 M1.170 | length 25.6
  Top Layer w0.254: M1.170 19.025,23.425 v1(19.2,23.6)
  Layer 2 w0.254: v1(19.2,23.6) 16.4,20.8 14.9,20.8 14,19.9 14,16.712 JP14.1
PF6_UART7_RX: JP9.1 M1.162 | length 32.9
  Top Layer w0.254: v1(15.2,25.8) 17.13,25.8 M1.162
  Bottom Layer w0.254: v1(15.2,25.8) 15.2,24.3 12.1,21.2 12.1,10.8 18.1,4.8 22.27,4.8 JP9.1
PF7_UART7_TX: JP9.2 M1.160 | length 34.3
  Top Layer w0.254: v1(13.604,25.22) 13.604,26.425 14.366,27.187 15.393,27.187 16.155,26.425 M1.160
  Bottom Layer w0.254: v1(13.604,25.22) 11.5,23.116 11.5,9.5 17.6,3.4 20.73,3.4 20.93,3.6 JP9.2
PF8_TIM13_CH1: JP7.2 M1.158 | length 33.1
  Top Layer w0.254: M1.158 17.167,27.012 18.588,27.012 v1(19.9,25.7)
  Bottom Layer w0.254: v1(19.9,25.7) 18.8,25.7 16.5,23.4 16.5,14 20.8,9.7 27.1,9.7 JP7.2
PF9_TIM14_CH1: JP7.3 M1.156 | length 37.4
  Top Layer w0.254: M1.156 17.98,27.625 18.004,27.6 v1(19.9,27.6)
  Bottom Layer w0.254: v1(19.9,27.6) 21.3,26.2 21.3,25.3 20.6,24.6 18.6,24.6 17.2,23.2 17.2,14.5 21.1,10.6 28.74,10.6 JP7.3
PG9: JP4.4 M1.121 | length 10.2
  Top Layer w0.254: JP4.4 6.7,43.487 6.7,38.9 7.475,38.125 M1.121
PG10: JP4.5 M1.123 | length 8.3
  Top Layer w0.254: JP4.5 4.858,42.789 4.858,42.203 6.1,40.961 6.1,38.8 7.375,37.525 M1.123
PG11: JP4.6 M1.125 | length 6.4
  Top Layer w0.254: JP4.6 4.582,40.422 5.7,39.303 5.7,38.53 7.306,36.925 M1.125
PI3: JP4.1 M1.81 | length 5.7
  Top Layer w0.254: JP4.1 7.635,50.173 8.906,50.173 M1.81
stm32_rst: JP27.1 Q1.1 R2.2 | length 11.7
  Top Layer w0.254: JP27.1 32.696,24.69 32.696,21.529 34.935,19.29 34.935,18.318 R2.2 33.474,16.858 Q1.1
pads on no net: JP14.2 JP20.2 JP20.3 JP20.4 JP20.5 JP21.2 JP21.3 JP21.4 JP21.5 JP21.6 JP21.7 JP22.1 JP22.2 JP22.3 JP22.4 M1.0 M1.9 M1.10 M1.19 M1.20 M1.33 M1.34 M1.35 M1.36 M1.37 M1.38 M1.39 M1.40 M1.41 M1.42 M1.43 M1.44 M1.45 M1.46 M1.47 M1.48 M1.50 M1.51 M1.53 M1.55 M1.57 M1.58 M1.59 M1.60 M1.61 M1.62 M1.63 M1.64 M1.65 M1.66 M1.67 M1.68 M1.78 M1.80 M1.82 M1.83 M1.85 M1.87 M1.89 M1.91 M1.93 M1.96 M1.97 M1.99 M1.102 M1.103 M1.104 M1.106 M1.108 M1.109 M1.110 M1.111 M1.112 M1.113 M1.114 M1.115 M1.117 M1.120 M1.122 M1.124 M1.126 M1.128 M1.130 M1.132 M1.133 M1.135 M1.137 M1.139 M1.141 M1.142 M1.144 M1.146 M1.148 M1.150 M1.152 M1.154 M1.155 M1.157 M1.159 M1.161 M1.163 M1.164 M1.165 M1.166 M1.168 M1.169 M1.172 M1.173 M1.175 M1.178 M1.179 M1.182 M1.184 M1.185 M1.186 M1.187 M1.188 M1.189 M1.191 M1.192 M1.193 M1.194
copper on no net: | length 5.5
  Top Layer w0.254: 8.954,60.325 8.956,60.327 v1(11.232,60.327) ; 8.954,60.925 9.779,60.925 10.862,62.008 11.406,62.008 v1(11.6,62.202)

## Polygon pours and split planes (outlines as drawn)
3V3_STM32 on Top Layer (solid, pour order 2): 0,0 58.2,0 58.2,81.7 0,81.7
no net on Top Layer "Top Layer-No Net" (solid, pour order 0): 13.4,55.8
3V3_STM32 on Bottom Layer (solid, pour order 4): 0,0 58.2,0 58.2,81.7 0,81.7
3V3 on Layer 2 (solid, pour order 6): 0,0 58.2,0 58.2,81.7 0,81.7
GND on Layer 1 (split plane): 57.716,0.51 0.51,0.51 0.51,81.151 57.716,81.151

## Silkscreen, mask and mechanical layers (free items; w line width, h text height)
Mechanical 1:
  the board outline again, w0.254